# Altium PCB PCB2.PcbDoc (continued)
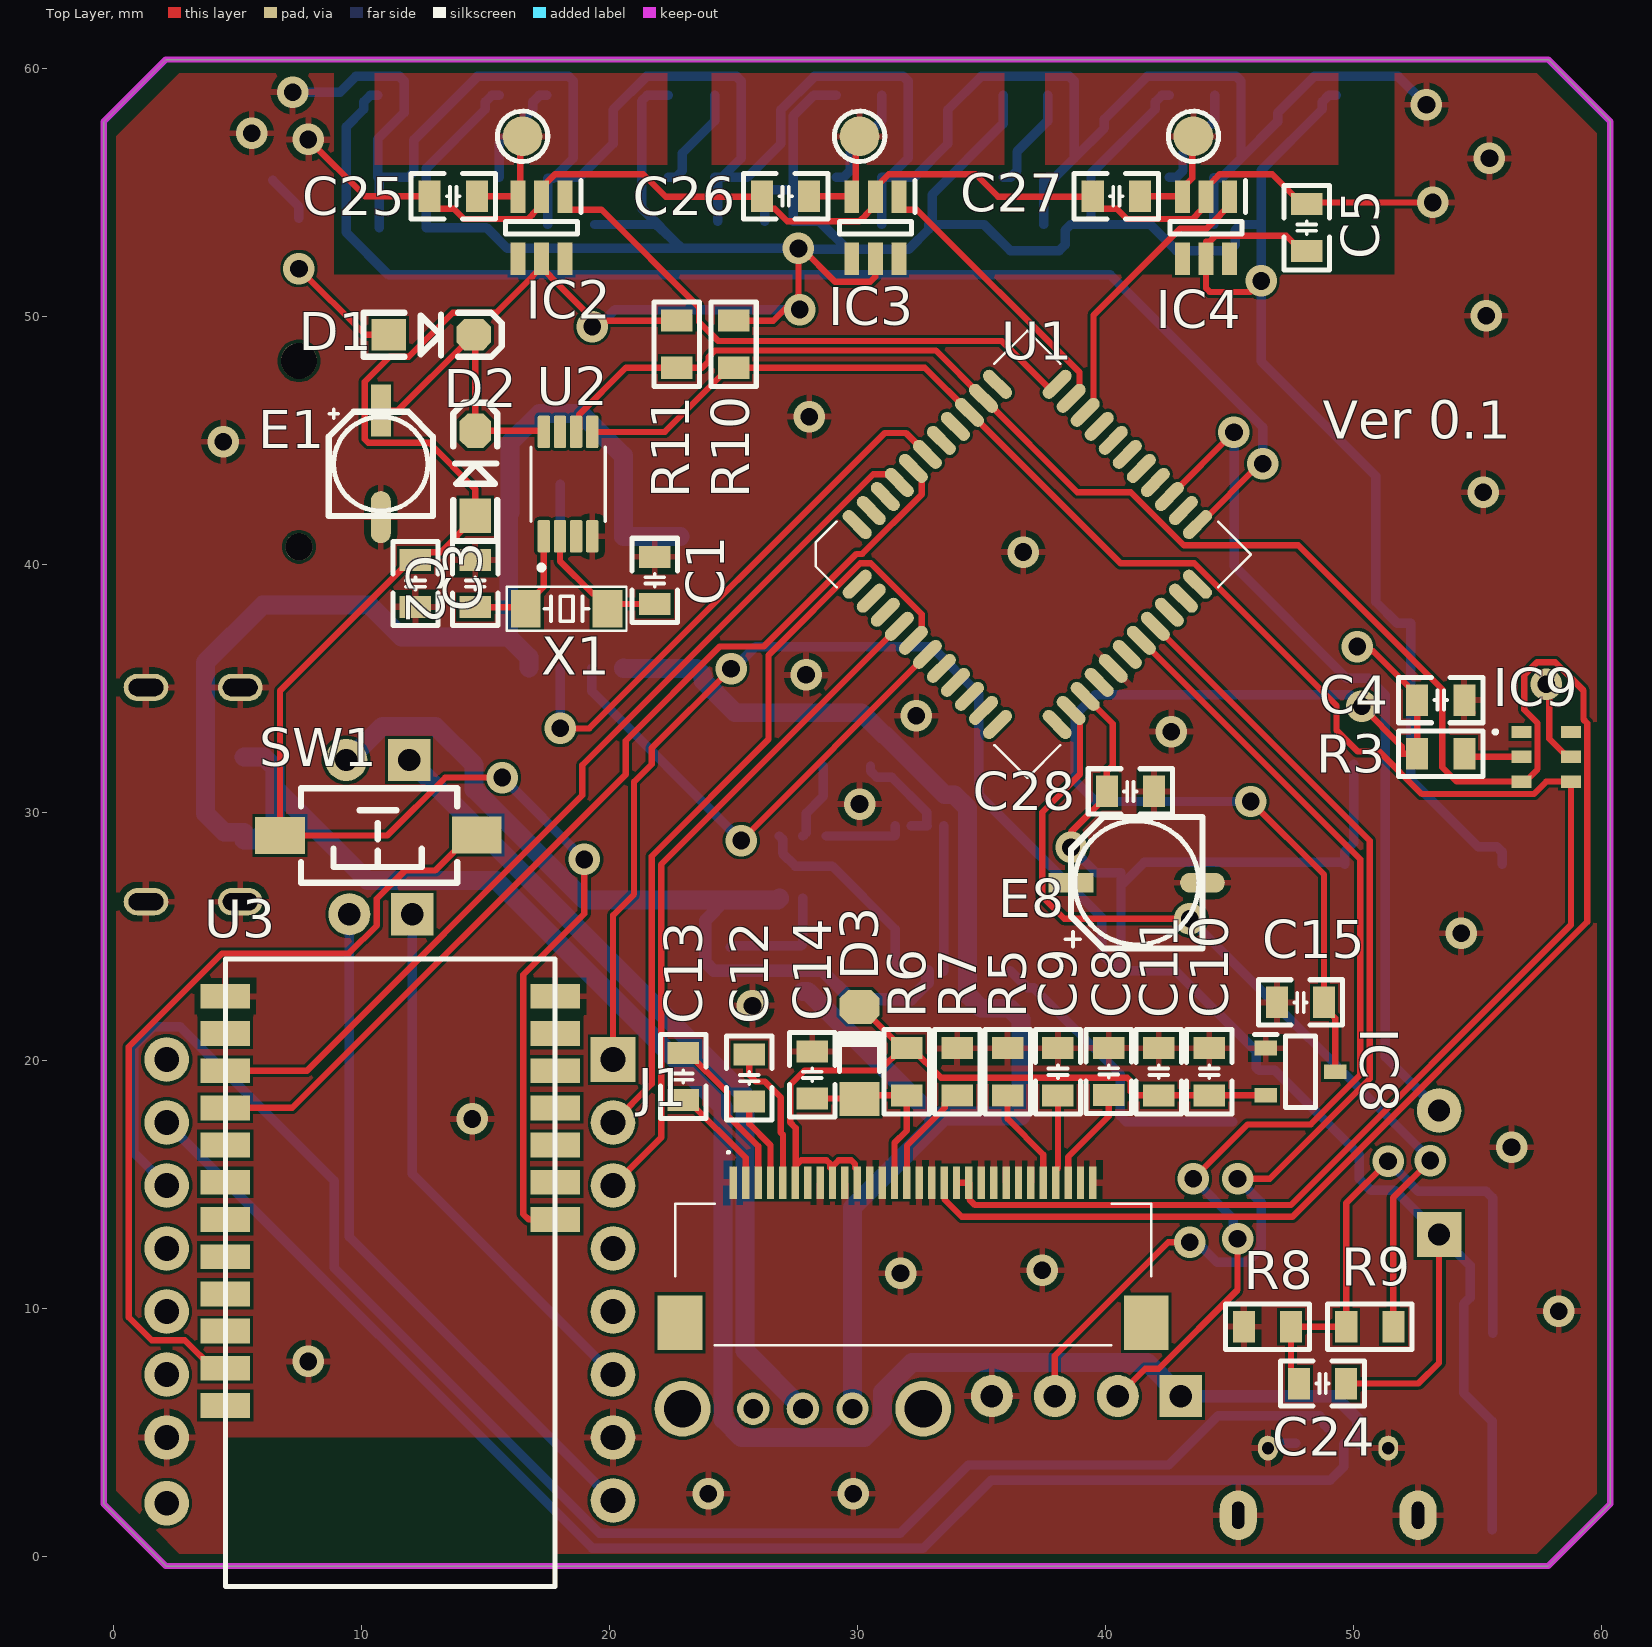
[diagram p0: Top Layer view]
## Footprints (in the part's own frame and the unit in brackets; to place one, negate y for a bottom-side part, rotate by r counter-clockwise, add the part's x,y. Pads: shape width x height; smd on the part's side, far side on the other; paste and mask are expansions set on the pad) (continued)
WS2812BB [mm]
  rect 1.5x0.9 smd: 1(-2.45,1.65) 2(-2.45,-1.65) 3(2.45,-1.65) 4(2.45,1.65)
  silkscreen extent -3.85,-2.5 2.5,2.5, body extent -3.2,-2.5 3.2,2.5, height 2.65
XH2.54-LI-2P [mm] "接插件，2P"
  rect 1.7x1.7 hole 0.9: 1(-1.27,0)
  round 1.7 hole 0.9: 2(1.27,0)
  silkscreen extent -3.81,-3.51 3.74,2.37, body extent -3.77,-3.3 3.77,2.4, height 7.05
XTAL-3215-2P [mm] "3.2*1.5*0.6mm(长宽高)"
  rect 1.2x1.5 smd: 1(-1.65,0) 2(1.65,0)
  silkscreen extent -2.41,-0.89 2.41,0.89, body extent -1.6,-0.75 1.6,0.75, height 0.61

## Part data
+BAT- +SPK-: library part "Header 2", "2P接插件", BOM名称=2P接插件, 封装库来自淘宝卖家 ID：黄晶宝石=其他店铺购入均为盗版假冒封装库, 联系卖家，免费查找封装=唯一出售店铺网址https://shop463601444.taobao.com
C1 C2 C3 C4 C5 C6 C7 C8 C9 C10 C11 C12 C13 C14 C15 C16 C17 C18 C19 C20 C21 C24 C25 C26 C27 C28: library part C, "贴片电容", BOM名称=无极性贴片电容, 联系卖家，免费查找封装=唯一出售店铺网址https://shop463601444.taobao.com
CR?: library part CR-3V, "微型电池", BOM名称=微型电池, 封装库来自淘宝卖家ID：黄晶宝石=其他店铺购入均为盗版假冒封装库，请立即申请退款, 联系卖家，免费查找封装=唯一出售店铺网址https://shop463601444.taobao.com
D1 D2: "Zener Diode", 联系卖家，免费查找封装=唯一出售店铺网址https://shop463601444.taobao.com
D3: "开关二极管", BOM名称=高速开关二极管, 联系卖家，免费查找封装=唯一出售店铺网址https://shop463601444.taobao.com
D4: "肖特基二极管", BOM名称=肖特基二极管, 属性=40V/1A, 联系卖家，免费查找封装=唯一出售店铺网址https://shop463601444.taobao.com
DEBUG: "USB2.0_Micro-B母座", BOM名称=USB2.0_Micro-B母座, 联系卖家 免费技术支持=封装库来自淘宝卖家ID：黄晶宝石, 联系卖家 免费查找封装=唯一出售店铺网址https://shop463601444.taobao.com
DEBUG: library part "Header 4", "4P接插件", BOM名称=4P接插件, 封装库来自淘宝卖家 ID：黄晶宝石=其他店铺购入均为盗版假冒封装库, 联系卖家，免费查找封装=唯一出售店铺网址https://shop463601444.taobao.com
E1 E2 E3 E4 E5 E6 E7 E8: library part CE_SMD, "贴片电解电容", BOM名称=贴片电解电容, 联系卖家，免费查找封装=唯一出售店铺网址https://shop463601444.taobao.com
IC2 IC3 IC4: "Integrated Circuit", Manufacturer_Name=TONTEK, Datasheet Link=https://radiokot.ru/konkursCatDay2014/53/01.pdf, Height=1.26mm, Manufacturer_Part_Number=TTP223-BA6
IC5: "Integrated Circuit", Manufacturer_Name=Microne, Datasheet Link=https://datasheet.lcsc.com/szlcsc/Nanjing-Micro-One-Elec-ME2108A50M3G_C14839.pdf, Height=1.3mm, Manufacturer_Part_Number=ME2108A33M3G
IC6: "锂电池充电管理", BOM名称=锂电池充电管理, 封装库来自淘宝卖家 ID：黄晶宝石=其他店铺购入均为盗版，请立即申请退款，本店现金奖励5~20元, 联系卖家 免费查找封装=唯一出售店铺网址https://shop463601444.taobao.com
IC7: "Integrated Circuit", Manufacturer_Name="Fortune Semiconductor Corporation", Datasheet Link=http://acoptex.com/uploads/DW01A.pdf, Height=1.35mm, Manufacturer_Part_Number=DW01A-G
IC8: "Integrated Circuit", Manufacturer_Name=Torex, Datasheet Link=http://www.torexsemi.com/products/voltage_regulators/data/XC6206.pdf, Height=1.3mm, Manufacturer_Part_Number=XC6206P332MR
IC9: "Integrated Circuit", Manufacturer_Name=Adafruit, Datasheet Link=https://cdn-learn.adafruit.com/assets/assets/000/091/676/original/AHT20-datasheet-2020-4-16.pdf?1591047915, Height=1.1mm, Manufacturer_Part_Number=AHT20
J1: "Connector", Manufacturer_Name="Kyocera Electronic Components", Mouser Part Number=581-046288030000846+, Datasheet Link=https://global.kyocera.com/prdct/electro/product/pdf/6288.pdf, Height=2.15mm, Manufacturer_Part_Number=046288030000846+, Mouser Price/Stock=https://www.mouser.co.uk/ProductDetail/Kyocera-Electronic-Components/046288030000846%2b?qs=HmNO9%252B%2F6HD5kPR%2FYbA40zA%3D%3D
L1: library part L-SMD, "CD系列贴片线绕功率电感", BOM名称=功率电感, 联系卖家，免费查找封装=唯一出售店铺网址https://shop463601444.taobao.com
LED1 LED2 LED3 LED4 LED5 LED6: "LED", Manufacturer_Name=Worldsemi, Datasheet Link=http://www.world-semi.com/DownLoadFile/111, Height=1.62mm, Manufacturer_Part_Number=WS2812B-B
LS1: library part BEEP, "蜂鸣器", BOM名称=蜂鸣器, 封装库来自淘宝卖家ID：黄晶宝石=其他店铺购入均为盗版假冒封装库，请立即申请退款, 联系卖家，免费查找封装=唯一出售店铺网址https://shop463601444.taobao.com
PWR: library part EG1213, "Slide Switch SPDT Through Hole, Right Angle", Package=None, Availability=Unavailable, MF=E-Switch, MP=EG1213, Price=None, SnapEDA_Link=https://www.snapeda.com/parts/EG1213/E-Switch/view-part/226013/?ref=snap
PWR: "USB_TYPE-C_6Pin母座", 联系卖家 免费技术支持=封装库来自淘宝卖家ID：黄晶宝石, 联系卖家 免费查找封装=唯一出售店铺网址https://shop463601444.taobao.com
Q1: "MOSFET (N-Channel)", Manufacturer_Name=fortune, Datasheet Link=http://www.ic-fortune.com/upload/Download/FS8205A-DS-12_EN.pdf, Height=1.2mm, Manufacturer_Part_Number=FS8205A
R1 R2 R3 R4 R5 R6 R7 R8 R9 R10 R11: library part R, "贴片电阻", BOM名称=贴片电阻, 联系卖家，免费查找封装=唯一出售店铺网址https://shop463601444.taobao.com
RST SW1: library part "SW 3x6", "3x6轻触开关", BOM名称=3x6轻触开关, 封装库来自淘宝卖家ID：黄晶宝石=其他店铺购入均为盗版假冒封装库，请立即申请退款, 联系卖家，免费查找封装=唯一出售店铺网址https://shop463601444.taobao.com
TP1 TP2 TP3: "测试点", BOM名称=测试点, 封装库来自淘宝卖家ID：黄晶宝石=其他店铺购入均为盗版假冒封装库，请立即申请退款, 联系卖家，免费查找封装=唯一出售店铺网址https://shop463601444.taobao.com
U1: library part STC15W4K60S4_LQFP44
U2: "RTC circuit; I2C; 1.8Ã·5.5VDC; TSSOP8", Package="TSSOP-8 NXP Semiconductors", Availability=Unavailable, Check_prices=https://www.snapeda.com/parts/PCF8563TS/4.118/NXP%20Semiconductors/view-part/1356819/?ref=eda, MF="NXP Semiconductors", MP=PCF8563TS/4.118, Price=None, SnapEDA_Link=https://www.snapeda.com/parts/PCF8563TS/4.118/NXP%20Semiconductors/view-part/1356819/?ref=snap
U3: "蓝牙模块", 联系卖家，免费查找封装=唯一出售店铺网址https://shop463601444.taobao.com
U4: library part "Mini MP3 Player", "MP3模块", BOM名称=MP3模块, 卖家免费技术支持，联系售后=唯一出售店铺网址https://shop463601444.taobao.com
V1: library part AMS1117, "三端稳压芯片", BOM名称=稳压芯片, 封装库来自淘宝卖家 ID：黄晶宝石=其他店铺购入均为盗版，请立即申请退款，本店现金奖励5~20元, 联系卖家 免费查找封装=唯一出售店铺网址https://shop463601444.taobao.com
X1: library part XTAL-2P, "2脚无源晶振(谐振器）", BOM名称=2脚无源晶振(谐振器）, 联系卖家，免费查找封装=唯一出售店铺网址https://shop463601444.taobao.com

## Via types
v1: diameter 1.27, hole 0.711, Top Layer to Bottom Layer, tented both sides, 49 vias

## Nets (pads, with @x,y where several pads share a name; then routed paths per layer and width w, separated by ;. In a path a pad name is that pad's centre, name@x,y a point inside that pad or via, vN(x,y) a via of type N, cw(c..) or ccw(c..) an arc to the next point about the centre after c; other vN are vias at no path point)
3V3: C3.2 C4.2 C5.2 C15.2 C16.1 C17.1 C18.1 C19.1 C20.1 C21.1 D2.1 E4.1 IC2.5 IC3.5 IC4.5 IC8.3 LED1.1 LED2.1 LED3.1 LED4.1 LED5.1 LED6.1 R3.1 R10.2 R11.2 SW1.2 U3.1 V1.2 V1.4 | length 259.3
  Top Layer w0.254: v1(15.697,31.42) 13.386,31.42 11.049,29.083 SW1.2 6.731,34.922 12.002,40.193 C3.2 12.51,40.51 13.205,40.51 14.605,41.91 D2.1 14.605,43.053 12.743,44.915 10.29,44.915 10.141,45.064 10.141,47.374 11.154,48.387 11.916,48.387 13.694,50.165 15.452,50.165 16.907,51.62 16.907,51.629 IC2.5@17.272,51.994 ; IC2.5@17.272,52.694 IC2.5 IC2.5@17.272,51.994 ; U3.1 16.752,13.601 16.535,13.818 16.535,23.47 18.999,25.933 v1(18.999,28.118) ; R11.2 19.412,49.845 17.637,51.62 17.637,51.629 IC2.5@17.272,51.994 ; R10.2 26.619,49.845 27.635,50.861 v1(27.635,52.756) ; v1@27.762,52.756 29.108,51.41 30.531,51.41 30.734,51.613 IC3.5 ; v1(45.872,30.455) 48.829,27.498 C15.2 48.829,22.161 49.279,21.711 IC8.3 ; v1(46.289,51.445) 45.847,51.003 44.221,51.003 44.069,51.156 IC4.5 44.069,53.035 44.221,53.035 44.45,53.264 47.31,53.264 47.93,52.644 C5.2 ; v1(50.165,36.703) 50.359,36.509 50.809,36.509 52.583,34.734 C4.2 R3.1 51.968,32.385 51.968,32.664 v1(50.343,34.29)
  Bottom Layer w0.381: LED1.1 15.268,58.926 15.009,58.667 15.009,58.367 12.634,55.992 C21.1 15.053,53.594 15.891,52.756 v1(27.635,52.756) 27.661,52.73 29.599,52.73 ; v1(15.697,31.42) v1(18.999,28.118) ; v1(19.313,49.606) 19.553,49.606 20.24,50.292 v1(27.686,50.292) ; C20.1 21.878,53.721 22.885,52.807 21.311,54.381 21.311,58.697 21.539,58.926 LED2.1 ; C19.1 26.284,54.895 26.507,55.118 27.432,55.118 ; LED3.1 28.245,58.926 27.432,58.113 27.432,55.118 ; C18.1@33.027,53.859 33.027,54.927 35.888,57.789 LED4.1 ; LED5.1 42.282,58.926 42.022,58.667 42.022,58.367 39.431,55.775 C17.1 ; v1(45.872,30.455) 39.624,30.455 38.786,31.293 38.786,33.934 39.605,34.754 49.879,34.754 v1(50.343,34.29) ; LED6.1 49.013,58.926 48.753,58.667 48.753,58.367 46.289,55.902 C16.1 ; E4.1 56.007,28.423 55.798,28.633 55.04,28.633 52.324,31.348 V1.2 V1.4 51.774,37.648 50.915,38.507 50.915,43.579 46.289,48.205 v1(46.289,51.445) C16.1 ; 27.432,55.118 27.432,53.848 28.482,53.848 29.599,52.73 ; 29.599,52.73 32.088,52.73 32.888,53.53 C18.1 35.119,53.721 36.173,52.667 38.149,52.667 38.395,52.912 38.395,53.498 38.618,53.721 C17.1 ; C17.1 41.819,53.721 42.873,52.667 45.007,52.667 45.253,52.912 45.253,53.498 45.476,53.721 C16.1
+5: C6.2 C24.1 C28.1 D4.2 E3.1 E5.1 E8.1 IC5.3 LS1.1 RST.1 U1.14 U4.1 V1.3 | length 111.7
  Top Layer w0.254: U4.1 20.159,25.874 21.006,26.721 21.006,31.251 21.717,31.962 21.717,32.614 v1(24.917,35.814) ; E8.1 v1(38.625,28.6) 38.625,29.224 40.071,30.67 C28.1 40.071,31.678 40.302,31.91 40.302,33.586 U1.14 ; C24.1 52.629,6.985 53.467,7.823 LS1.1
  Bottom Layer w0.381: v1(24.917,35.814) 25.019,35.814 25.908,36.703 32.995,36.703 34.9,34.798 34.9,30.737 39.872,25.765 39.872,24.306 40.556,23.622 D4.2 ; v1(38.625,28.6) 39.641,27.584 40.64,27.584 E3.1@40.64,27.06 ; V1.3 50.024,28.79 49.657,28.423 E5.1 49.579,28.001 C6.2 41.581,28.001 E3.1@40.64,27.06 ; RST.1 55.606,5.468 54.457,6.617 54.457,10.191 54.715,10.449 54.715,11.746 LS1.1 51.676,14.785 50.705,14.785 50.25,15.24 50.25,16.211 46.849,19.611 46.211,19.611 46.101,19.721 IC5.3 46.101,20.371 42.85,23.622 D4.2 ; E3.1@40.64,27.06 E3.1 40.64,23.763 D4.2
BAT+: E2.1 E7.1 IC6.5 L1.1 PWR.1 R1.2 | length 54.6
  Bottom Layer w0.762: IC6.5 20.583,35.823 22.86,35.823 E7.1 23.519,35.814 23.774,35.559 23.774,35.341 25.083,34.032 30.184,34.032 31.069,33.147 31.115,33.147 33.535,30.727 33.922,30.727 34.456,30.193 34.456,22.653 34.99,22.119 36.162,22.119 36.608,21.673 L1.1 E2.1@33.519,17.78 ; R1.2 28.004,22.799 33.023,17.78 E2.1@33.519,17.78 ; PWR.1 29.813,14.074 E2.1@33.519,17.78
BAT+_2: +BAT-.1 PWR.2 | length 32.7
  Bottom Layer w0.762: +BAT-.1 25.485,18.584 25.485,8.297 PWR.2
BAT-: +BAT-.2 C7.1 IC7.6 Q1.2 Q1.3 | length 34.7
  Bottom Layer w0.508: C7.1@24.702,26.477 23.876,25.652 23.876,23.975 24.226,23.625 28.606,23.625 29.744,22.486 32.173,22.486 32.837,23.15 Q1.2
  Bottom Layer w0.762: +BAT-.2 9.501,32.131 10.859,33.489 12.998,33.489 14.554,31.933 14.554,30.946 19.023,26.477 24.702,26.477 C7.1 26.807,26.477 26.863,26.533 IC7.6
BEP: LS1.2 U1.25 | length 35
  Top Layer w0.254: U1.25 42.608,42.753 v1(45.195,45.339)
  Bottom Layer w0.381: v1(45.195,45.339) 45.212,45.322 45.212,39.949 49.742,35.419 50.627,35.419 51.3,34.747 51.3,20.162 LS1.2
BT_RX: U1.41 U3.10 | length 38
  Top Layer w0.254: U3.10 7.817,19.601 18.921,30.705 18.921,31.923 30.653,43.655 31.366,43.655 U1.41
BT_TX: U1.40 U3.11 | length 40.3
  Top Layer w0.254: U3.11 7.224,18.101 20.665,31.542 20.665,32.908 24.464,36.707 26.242,36.707 29.974,40.438 30.206,40.438 32.603,42.836 32.603,43.548 U1.40
CRGS_CG: IC6.7 U1.39 | length 22.5
  Top Layer w0.254: v1(18.034,33.401) 19.202,33.401 31.115,45.314 31.969,45.314 U1.39
  Bottom Layer w0.381: v1(18.034,33.401) IC6.7
CRGS_CP: IC6.6 U1.6 | length 20.1
  Top Layer w0.254: v1(25.324,28.88) U1.6
  Bottom Layer w0.381: IC6.6 19.304,34.9 v1(25.324,28.88)
Debug_RX: DEBUG.2@40.513,6.477 U1.18 | length 41.5
  Top Layer w0.254: DEBUG.2@40.513,6.477 41.617,7.581 42.162,7.581 45.339,10.758 v1(45.339,12.827) v1@45.169,12.997 ; U1.18 50.292,28.122 50.292,19.431 48.294,17.433 45.754,17.433 v1(43.561,15.24)
  Bottom Layer w0.381: v1(43.561,15.24) 45.169,13.632 v1@45.169,12.997
Debug_TX: DEBUG.3@37.973,6.477 U1.19 | length 44.6
  Top Layer w0.254: DEBUG.3@37.973,6.477 37.973,8.11 42.545,12.682 v1(43.416,12.682) ; U1.19 50.673,28.873 50.673,19.273 46.64,15.24 v1(45.339,15.24)
  Bottom Layer w0.381: v1(43.416,12.682) 43.561,12.827 44.514,11.874 45.734,11.874 46.291,12.432 46.291,14.287 v1(45.339,15.24)
GND: C1.1 C2.2 C3.1 C4.1 C5.1 C6.1 C8.1 C9.1 C10.1 C11.1 C14.1 C15.1 C16.2 C17.2 C18.2 C19.2 C20.2 C21.2 C25.2 C26.2 C27.2 C28.2 CR?.2 DEBUG.4@35.433,6.477 DEBUG.5 E1.2 E2.2 E3.2 E4.2 E5.2 E6.2 E7.2 E8.2 IC2.2 IC3.2 IC4.2 IC5.1 IC6.1 IC6.3 IC8.1 IC9.5 J1.1 J1.8 J1.10 J1.12 J1.13 J1.16 J1.17 J1.21 J1.22 J1.23 J1.24 J1.25 J1.29 J1.30 LED1.3 LED2.3 LED3.3 LED4.3 LED5.3 LED6.3 PWR.0 PWR.A12 PWR.B12 Q1.6 Q1.7 R2.2 R4.1 R5.1 R7.1 R8.1 U1.16 U2.4 U3.7 U3.8 U4.7 U4.10 V1.1 | length 163.4
  Top Layer w0.254: v1(7.874,57.15) 10.16,54.864 C25.2 12.766,54.674 13.084,54.356 13.735,54.356 14.151,53.94 16.727,53.94 16.907,54.12 16.907,54.129 17.272,54.494 IC2.2 17.272,55.194 17.637,55.559 17.637,55.568 17.817,55.748 21.381,55.748 22.285,54.844 26.147,54.844 C26.2 26.167,54.673 26.484,54.356 26.675,54.356 27.183,53.848 30.097,53.848 30.369,54.12 30.369,54.129 30.734,54.494 IC3.2 30.734,55.194 31.099,55.559 31.099,55.568 31.279,55.748 34.78,55.748 35.684,54.844 39.482,54.844 C27.2 39.502,54.673 39.819,54.356 40.471,54.356 40.887,53.94 43.524,53.94 43.704,54.12 43.704,54.129 44.069,54.494 IC4.2 44.069,55.194 44.434,55.559 44.434,55.568 44.614,55.748 46.739,55.748 47.942,54.544 C5.1 48.199,54.61 v1(53.213,54.61) ; C4.1 54.483,34.353 C4.1@54.8,34.036 ; v1@57.912,34.671 57.912,32.981 58.635,32.258 IC9.5
  Bottom Layer w0.381: v1(7.239,59.055) 9.148,59.055 9.786,59.694 11.55,59.694 11.736,59.508 11.736,58.23 10.668,57.163 LED1.3 ; C21.2 10.734,55.56 LED1.3 ; C20.2 17.526,55.589 17.752,55.589 LED2.3@17.789,55.626 ; C19.2 24.384,55.499 LED3.3 LED3.3@24.557,55.626 ; R2.2 30.541,31.687 30.795,31.433 31.398,31.433 32.803,30.028 32.803,29.516 Q1.7 Q1.6 ; C18.2 LED4.3 LED4.3@31.288,55.626 ; C17.2 37.531,55.475 LED5.3 37.982,55.626 38.75,56.394 ; C16.2 44.389,55.602 44.689,55.602 45.481,56.394 ; DEBUG.5@46.567,4.382 46.58,4.382 46.77,4.572 DEBUG.5@47.692,4.572 ; v1(52.959,58.547) 51.812,59.694 48.431,59.694 46.956,58.218 46.956,57.869 45.481,56.394 ; LED1.3 11.903,55.626 12.126,55.849 12.126,57.133 14.687,59.694 18.371,59.694 18.557,59.508 18.557,56.394 LED2.3@17.789,55.626 ; LED2.3@17.789,55.626 18.811,55.626 20.159,56.974 20.159,58.345 21.507,59.694 25.139,59.694 25.325,59.508 25.325,56.394 LED3.3@24.557,55.626 ; LED3.3@24.557,55.626 25.579,55.626 26.924,56.971 26.924,58.342 28.276,59.694 31.87,59.694 32.056,59.508 32.056,56.394 LED4.3@31.288,55.626 ; LED4.3@31.288,55.626 32.31,55.626 33.658,56.975 33.658,58.345 35.007,59.694 38.564,59.694 38.75,59.508 38.75,56.394 ; 38.75,56.394 39.971,57.615 39.971,57.964 41.7,59.694 45.295,59.694 45.481,59.508 45.481,56.394
  other v1: 24.003,2.54 29.845,2.54 7.874,7.874 58.293,9.906 31.75,11.43 37.465,11.557 56.388,16.51 14.478,17.653 25.781,22.225 54.356,25.146 30.099,30.353 42.672,33.274 32.385,33.909 57.785,35.179 27.94,35.56 36.703,40.513 55.245,42.926 4.445,44.958 28.067,45.974 55.372,50.038 55.499,56.388 5.588,57.404
IAP15_RST: R9.2 U1.13 | length 35.7
  Top Layer w0.254: U1.13 38.989,33.768 38.989,31.547 37.465,30.023 37.465,26.619 38.354,25.73 v1(43.409,25.73) ; R9.2 51.623,14.488 v1(53.111,15.977)
  Bottom Layer w0.381: v1(43.409,25.73) 53.111,16.027 v1(53.111,15.977)
LED_IN: LED1.4 U1.23 | length 51.6
  Top Layer w0.254: U1.23 43.789,41.622 46.236,44.069 v1(46.355,44.069)
  Bottom Layer w0.381: LED1.4 10.368,58.926 10.108,58.667 10.108,58.367 9.398,57.656 9.398,53.401 11.11,51.689 40.209,51.689 46.355,45.543 v1(46.355,44.069)
MP3Player_RX: U1.5 U4.2 | length 31.2
  Top Layer w0.254: U4.2 21.717,19.067 21.717,28.248 26.428,32.96 26.428,36.354 30.132,40.057 30.549,40.057 32.603,38.003 32.603,37.291 U1.5
MP3Player_TX: U1.4 U4.3 | length 27.3
  Top Layer w0.254: U4.3 22.098,16.908 22.098,27.917 U1.4
NetC1_2: C1.2 U2.2 X1.2 | length 5.8
  Top Layer w0.254: U2.2 18.019,40.146 19.315,38.85 19.465,38.85 19.938,38.377 X1.2 20.131,38.42 C1.2
NetC2_1: C2.1 U2.1 X1.1 | length 5.3
  Top Layer w0.254: C2.1 16.572,38.293 X1.1 16.638,38.377 17.369,39.108 U2.1
NetC7_2: C7.2 IC7.5 R1.1 | length 4.8
  Bottom Layer w0.381: C7.2 24.953,24.638 27.752,24.638 R1.1 IC7.5
NetC8_2: C8.2 J1.28 | length 4.2
  Top Layer w0.254: J1.28 38.508,16.124 40.148,17.764 C8.2
NetC9_2: C9.2 J1.27 | length 3.6
  Top Layer w0.254: J1.27 38.008,15.586 38.1,15.678 C9.2
NetC12_1: C12.1 J1.4 | length 3.6
  Top Layer w0.254: C12.1 25.654,17.454 26.508,16.6 J1.4
NetC12_2: C12.2 J1.5 | length 5.9
  Top Layer w0.254: C12.2 25.654,19.428 25.916,19.166 26.281,19.166 26.924,18.523 26.924,17.108 27.008,17.024 J1.5
NetC13_1: C13.1 J1.2 | length 4.5
  Top Layer w0.254: C13.1 23.177,18.415 25.508,16.084 J1.2
NetC13_2: C13.2 J1.3 | length 6.6
  Top Layer w0.254: C13.2 23.177,20.315 24.765,18.727 24.765,17.804 26.008,16.561 J1.3
NetC14_2: C14.2 D3.1 J1.14 R6.1 | length 7.6
  Top Layer w0.254: C14.2 30.083,18.481 D3.1 30.242,18.608 R6.1 32.004,17.186 31.508,16.69 J1.14
NetC24_2: C24.2 R8.2 R9.1 RST.2 | length 22.3
  Top Layer w0.254: C24.2 47.818,7.176 47.498,7.496 R8.2 R9.1 49.723,14.265 v1(51.41,15.951)
  Bottom Layer w0.381: v1(51.41,15.951) 52.629,14.732 55.372,14.732 55.626,14.478 RST.2
NetC25_1: C25.1 IC2.3 TP1.1 | length 4.2
  Top Layer w0.254: C25.1 16.302,54.864 IC2.3 16.416,54.938 16.416,57.183 TP1.1
NetC26_1: C26.1 IC3.3 TP2.1 | length 4.4
  Top Layer w0.254: C26.1@28.384,55.225 28.067,54.907 C26.1 29.764,54.864 IC3.3 ; IC3.3@29.799,55.225 29.941,55.367 29.941,57.119 TP2.1
NetC27_1: C27.1 IC4.3 TP3.1 | length 5.1
  Top Layer w0.254: C27.1@41.719,55.225 41.402,54.907 C27.1 43.099,54.864 IC4.3 IC4.3@43.119,55.052 ; IC4.3@42.946,55.225 IC4.3@43.119,55.052 ; TP3.1 43.515,57.231 43.515,55.59 43.119,55.194 IC4.3@43.119,55.052
NetCR?_1: CR?.1 D1.1 | length 6.7
  Top Layer w0.254: v1(7.493,51.943) 10.16,49.276 D1.1
  Bottom Layer w0.381: CR?.1@6.434,55.499 7.493,54.44 CR?.1
NetD1_2: D1.2 D2.2 E1.1 U2.8 | length 12.5
  Top Layer w0.254: E1.1 11.485,46.219 14.224,48.959 14.224,49.276 D1.2 14.986,49.276 14.605,48.895 D2.2 17.324,45.402 U2.8
NetD4_1: D4.1 IC5.2 L1.2 | length 12.5
  Bottom Layer w0.381: D4.1 36.865,22.938 37.126,22.938 40.608,19.455 L1.2 40.842,17.546 IC5.2
NetIC6_2: IC6.2 R4.2 | length 2.1
  Bottom Layer w0.381: IC6.2 R4.2
NetIC7_1: IC7.1 Q1.4 | length 8.3
  Bottom Layer w0.381: IC7.1 26.998,28.928 26.998,28.361 27.51,27.849 28.995,27.849 31.537,25.307 Q1.4
NetIC7_2: IC7.2 R2.1 | length 3.2
  Bottom Layer w0.381: IC7.2 27.948,29.198 27.948,29.977 28.641,30.671 R2.1
NetIC7_3: IC7.3 Q1.5 | length 3.2
  Bottom Layer w0.381: IC7.3 31.503,29.063 31.537,29.097 Q1.5
NetIC9_2: IC9.2 R3.2 | length 2.4
  Top Layer w0.254: R3.2 54.61,32.258 IC9.2
NetJ1_15: J1.15 R7.2 | length 4.5
  Top Layer w0.254: J1.15 32.008,16.58 33.528,18.1 33.528,18.291 33.845,18.608 R7.2
NetJ1_26: J1.26 R5.2 | length 4.1
  Top Layer w0.254: R5.2 36.068,17.658 37.508,16.218 J1.26
NetLED1_2: LED1.2 LED2.4 | length 4.3
  Bottom Layer w0.381: LED1.2 15.568,57.005 16.93,58.367 16.93,58.667 17.189,58.926 LED2.4
NetLED2_2: LED2.2 LED3.4 | length 4.2
  Bottom Layer w0.381: LED2.2 22.689,55.626 22.948,55.885 22.948,56.596 24.257,57.905 LED3.4
NetLED3_2: LED3.2 LED4.4 | length 4.2
  Bottom Layer w0.381: LED3.2 29.457,55.626 29.717,55.885 29.717,56.633 30.988,57.905 LED4.4
NetLED4_2: LED4.2 LED5.4 | length 4.2
  Bottom Layer w0.381: LED4.2 36.188,55.626 36.448,55.885 36.448,56.659 37.682,57.893 LED5.4
NetLED5_2: LED5.2 LED6.4 | length 4.2
  Bottom Layer w0.381: LED5.2 42.882,55.626 43.141,55.885 43.141,56.633 44.413,57.905 LED6.4
NetMP3Player_Debug_2: DEBUG.2@49.642,4.572 U4.15 | length 56.9
  Bottom Layer w0.381: U4.15 19.328,0.34 32.665,0.34 35.416,3.091 49.079,3.091 49.627,3.639 49.627,4.557 DEBUG.2@49.642,4.572
NetMP3Player_Debug_3: DEBUG.3@48.992,4.572 U4.14 | length 67.4
  Bottom Layer w0.381: U4.14 0.84,16.288 0.84,20.595 1.613,21.368 2.705,21.368 8.915,15.158 8.915,11.647 19.613,0.95 31.731,0.95 34.482,3.701 42.569,3.701 44.558,5.69 48.649,5.69 48.834,5.504 48.834,5.323 DEBUG.3@48.976,5.182
NetQ1_1: Q1.1 Q1.8 | length 5.9
  Bottom Layer w0.381: Q1.1 Q1.8
NetSW1_1: SW1.1 U3.18 | length 33.9
  Top Layer w0.254: U3.18 4.026,7.601 2.892,8.735 1.552,8.735 0.635,9.652 0.635,20.569 4.394,24.328 9.507,24.328 10.629,25.451 10.629,26.531 11.769,27.672 12.982,27.672 14.414,29.103 SW1.1
SCL: IC9.3 J1.18 R11.1 U1.35 U2.6 | length 98.1
  Top Layer w0.254: U2.6 18.792,45.481 18.792,46.059 20.678,47.945 R11.1 23.749,47.945 24.014,48.21 24.014,48.379 24.279,48.643 33.165,48.643 U1.35 38.882,42.926 41.033,42.926 43.178,40.782 47.784,40.782 53.59,34.975 53.59,31.839 54.171,31.258 56.935,31.258 57.439,31.762 57.439,33.613 56.896,34.156 56.896,35.547 57.417,36.068 58.153,36.068 59.29,34.931 59.29,33.762 59.439,33.613 59.439,25.598 47.557,13.716 34.219,13.716 33.531,14.404 33.531,15.063 J1.18
SDA: IC9.4 J1.19 J1.20 R10.1 U1.36 U2.5 | length 84.4
  Top Layer w0.254: U2.5 22.242,45.358 24.829,47.945 R10.1 32.732,47.945 U1.36 40.62,40.057 43.595,40.057 49.333,34.319 49.333,33.327 50.19,32.47 51.059,32.47 52.775,30.754 57.29,30.754 57.794,31.258 IC9.4 58.785,25.483 47.484,14.182 34.753,14.182 34.531,14.404 34.531,15.063 J1.20 J1.19
SPK+: +SPK-.1 U4.6 | length 21.9
  Bottom Layer w0.381: +SPK-.1 12.065,15.443 U4.6
SPK-: +SPK-.2 U4.8 | length 28
  Bottom Layer w0.381: +SPK-.2 9.525,12.903 U4.8
TOUCH_K1: IC2.1 U1.33 | length 23.7
  Top Layer w0.254: IC2.1 18.222,54.494 18.395,54.321 19.696,54.321 23.622,50.395 23.622,49.803 24.401,49.024 35.827,49.024 37.739,47.113 37.9,47.113 U1.33
TOUCH_K2: IC3.1 U1.32 | length 11.6
  Top Layer w0.254: IC3.1 31.684,54.494 31.857,54.321 32.408,54.321 38.967,47.761 38.967,47.049 U1.32
TOUCH_K3: IC4.1 U1.31 | length 11.7
  Top Layer w0.254: U1.31 39.533,46.483 39.533,50.067 43.025,53.559 44.093,53.559 44.654,54.12 44.654,54.129 45.019,54.494 IC4.1
Vin: DEBUG.1 E6.1 IC6.4 IC6.8 PWR.A9 PWR.B9 | length 113.3
  Bottom Layer w0.508: DEBUG.1@43.053,6.477 49.251,6.477 50.213,5.515 50.213,4.651 DEBUG.1@50.292,4.572
  Bottom Layer w0.762: PWR.B9@5.277,28.892 5.754,28.892 6.534,29.673 6.534,30.997 ; PWR.B9 5.276,29.215 4.477,29.215 3.719,29.973 3.719,36.06 6.033,38.373 10.349,38.373 11.635,37.087 15.951,37.087 ; PWR.A9 PWR.A9 6.077,32.253 6.534,31.795 6.534,30.997 ; IC6.8 16.764,36.274 15.951,37.087 ; E6.1 22.86,41.139 20.583,41.139 IC6.4 20.574,44.404 18.88,46.099 17.189,46.099 16.002,44.912 16.002,42.114 15.951,42.063 15.951,37.087 ; DEBUG.1@43.053,6.477 41.695,7.835 32.22,7.835 31.03,6.645 31.03,5.543 30.294,4.807 25.332,4.807 24.596,5.543 24.596,18.13 15.46,27.266 10.265,27.266 6.534,30.997
VSC: C10.2 C11.2 D3.2 IC8.2 J1.6 J1.9 J1.11 R6.2 | length 30.7
  Top Layer w0.254: J1.9 29.031,15.109 29.031,15.768 29.253,15.99 29.763,15.99 29.912,15.841 29.912,15.682 30.008,15.586 J1.11 ; J1.9@29.008,15.586 28.912,15.682 28.912,15.841 28.763,15.99 27.753,15.99 27.531,15.768 27.531,17.286 27.305,17.513 27.305,19.031 27.885,19.611 30.916,19.611 31.814,20.508 30.146,22.175 D3.2 ; R6.2 32.195,20.508 33.385,19.317 40.889,19.317 41.037,19.169 41.037,18.757 41.186,18.608 C11.2 C10.2 IC8.2
pads on no net: CR?.0 DEBUG.4@48.342,4.572 IC2.4 IC2.6 IC3.4 IC3.6 IC4.4 IC4.6 IC6.9 IC6.10 IC6.11 IC7.4 IC9.1 IC9.6 J1.7 J1.MP1 J1.MP2 LED6.2 PWR.3 PWR.A5 PWR.B5 PWR.P$4 PWR.P$5 U1.1 U1.2 U1.3 U1.7 U1.8 U1.9 U1.10 U1.11 U1.12 U1.15 U1.17 U1.20 U1.21 U1.22 U1.24 U1.26 U1.27 U1.28 U1.29 U1.30 U1.34 U1.37 U1.38 U1.42 U1.43 U1.44 U2.3 U2.7 U3.2 U3.3 U3.4 U3.5 U3.6 U3.9 U3.12 U3.13 U3.14 U3.15 U3.16 U3.17 U3.19 U4.4 U4.5 U4.9 U4.11 U4.12 U4.13 U4.16

## Polygon pours and split planes (outlines as drawn)
NetC25_1 on Top Layer "NETC25_1_L01_P000" (solid, pour order 0): 10.541,59.817 10.541,56.134 22.352,56.134 22.352,59.817
GND on Top Layer "GND_L01_P003" (solid, pour order 3): 8.89,51.689 8.89,59.817 2.667,59.817 0.127,57.277 0.127,2.667 2.667,0.127 4.445,0.127 4.445,4.826 17.78,4.826 17.907,4.699 17.907,0.127 57.404,0.127 59.817,2.54 59.817,57.404 57.404,59.817 51.689,59.817 51.689,51.689
NetC26_1 on Top Layer "NETC26_1_L01_P001" (solid, pour order 1): 24.13,59.817 24.13,56.134 35.941,56.134 35.941,59.817
NetC27_1 on Top Layer "NETC27_1_L01_P002" (solid, pour order 2): 37.592,59.817 37.592,56.134 49.403,56.134 49.403,59.817
GND on Bottom Layer "GND_L02_P007" (solid, pour order 7): 8.89,51.689 8.89,59.817 2.667,59.817 0.254,57.404 0.127,57.404 0.127,2.54 2.54,0.127 4.572,0.127 4.572,4.826 17.78,4.826 17.78,0.127 57.277,0.127 59.69,2.54 59.817,2.54 59.817,57.404 57.404,59.817 51.689,59.817 51.689,51.689

## Keep-outs
Keep-Out Layer:
  the board outline again, w0.254

## Silkscreen, mask and mechanical layers (free items; w line width, h text height)
Top Overlay:
  text "Ver 0.1" at 48.768,45.085 h1.52
Bottom Overlay:
  text "来日方长 / 何惧车遥马慢" at 49.657,41.402 h3.17
  text "Bibibili @是你李某人" at 55.519,40.505 h2.03 r270
  text "Github @Challenger-0" at 53.327,40.5 h2.03 r270
Top Solder:
  rectangle: 37.592,56.134 49.403,59.817
  rectangle: 24.13,56.134 36.068,59.817
  rectangle: 10.541,56.134 22.479,59.817

## Text inside footprints (layer, text, board x,y; h text height)
DEBUG: Bottom Overlay "USB" at 50.516,1.27 h1.02